# Altium PCB Austindetz_CM4_Board_v1.0.PcbDoc (part 1 of 6) (continued)
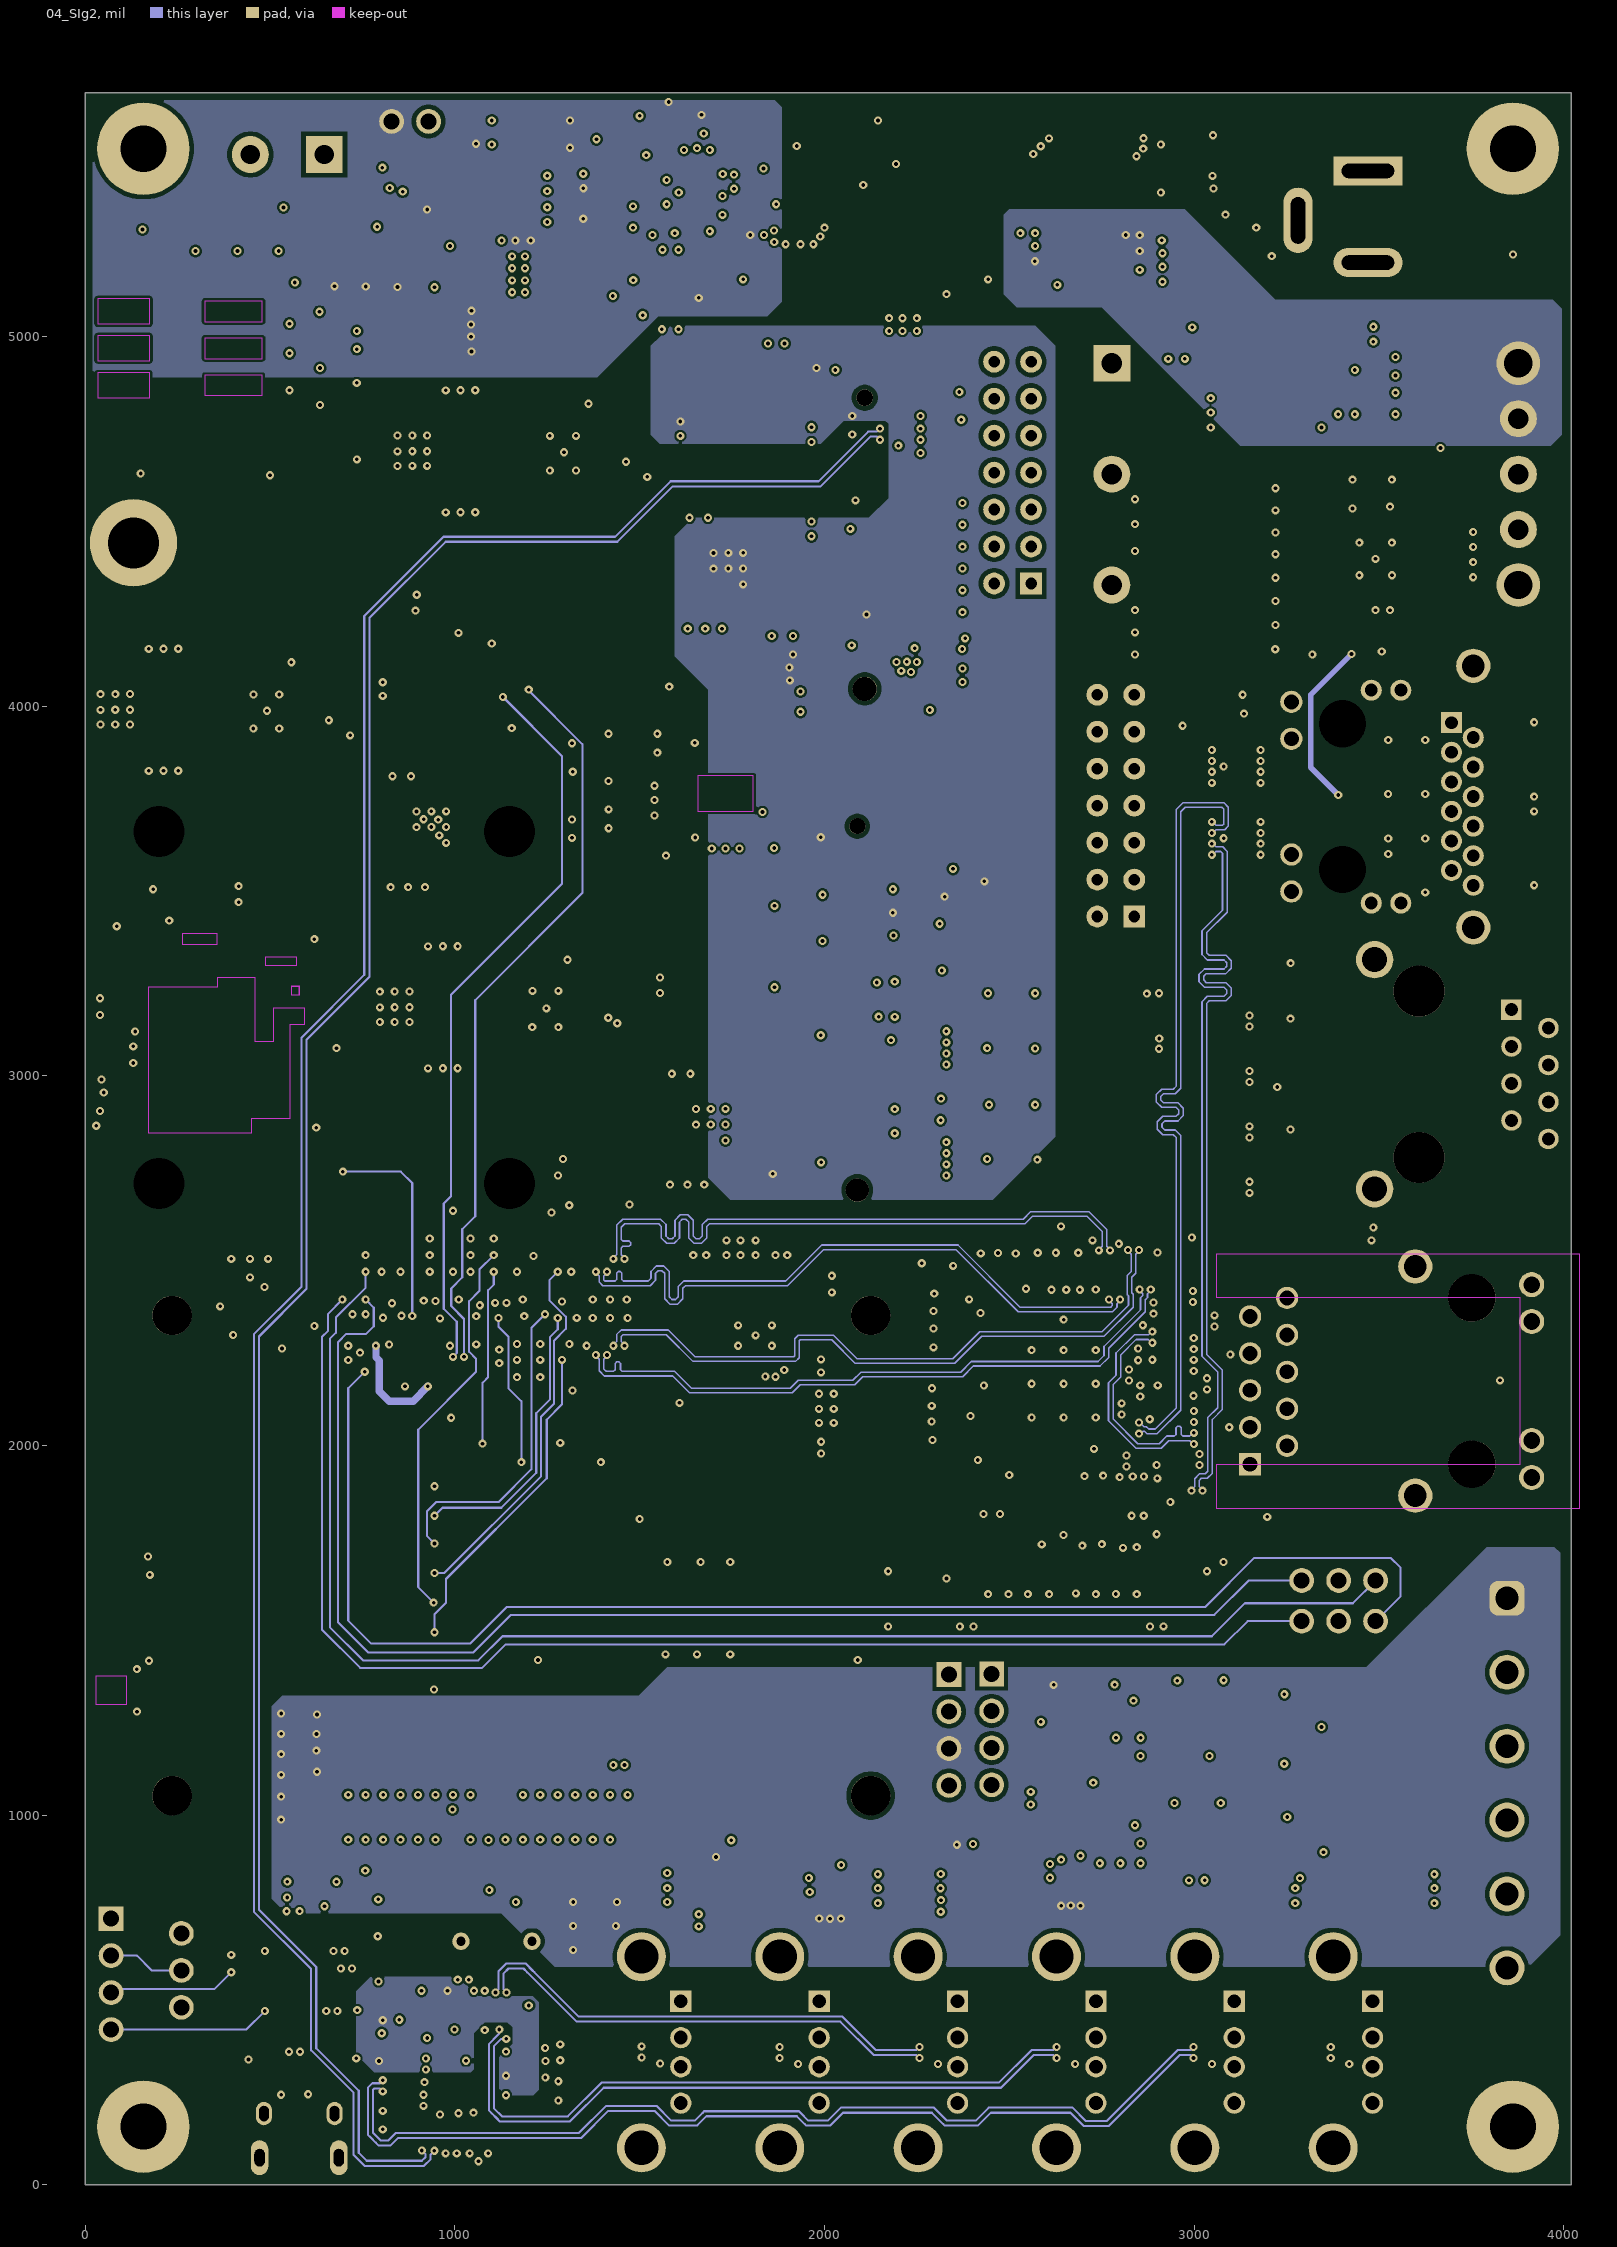
[diagram p4: 04_SIg2]
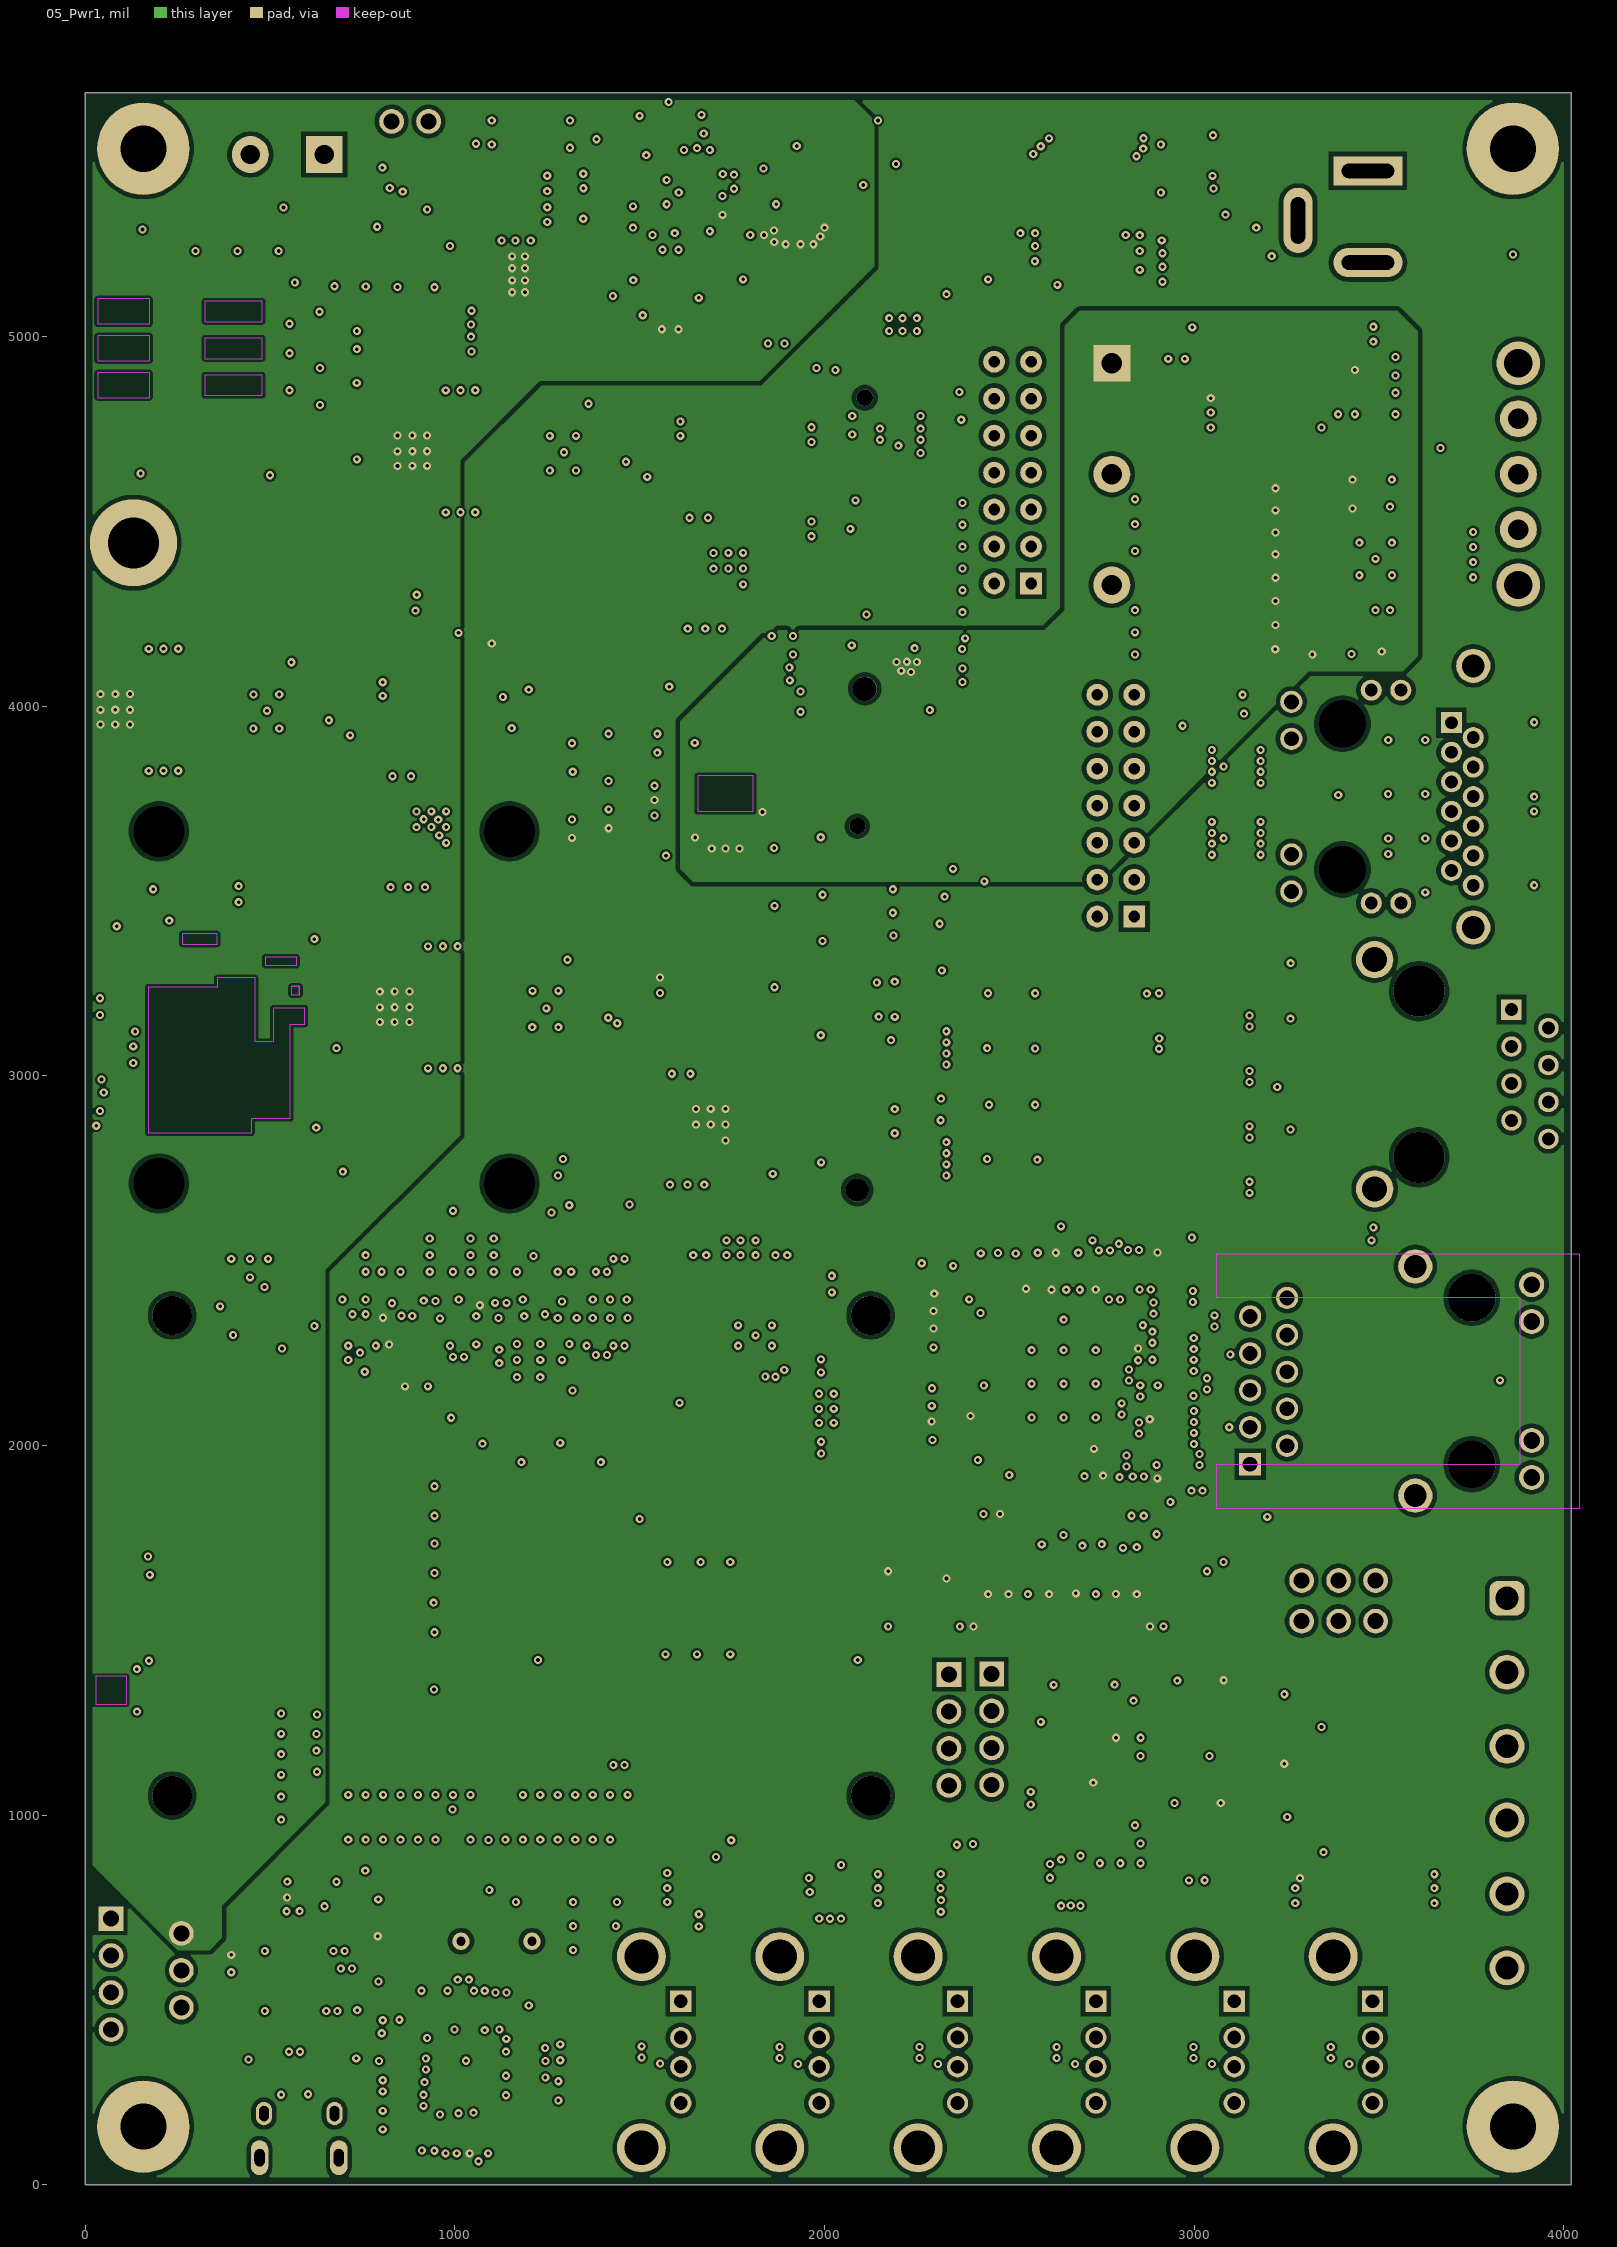
[diagram p5: 05_Pwr1]

## Layer stack, top to bottom
Top Solder: solder mask 0.394, SM-001, Dk 3.8
Top Layer: signal copper 1.38
Dielectric 1: prepreg 3.91, PP-014, Dk 4.2
02_GND1: signal copper 0.6
Dielectric 4: core 21.65, Core-037, Dk 4.8
03_SIg1: signal copper 0.6
Dielectric 2: prepreg 4.28, PP-015, Dk 4.3
04_SIg2: signal copper 0.6
Dielectric 5: core 21.65, Core-037, Dk 4.8
05_Pwr1: signal copper 0.6
Dielectric 3: prepreg 3.91, PP-014, Dk 4.2
Bottom Layer: signal copper 1.38
Bottom Solder: solder mask 0.394, SM-001, Dk 3.8

## Board outline
-0.09,-0.02 4019.91,-0.02 4019.91,5659.27 -0.09,5659.27

## Design rules (kind name [scope] priority, off if disabled: settings)
BoardOutlineClearance [All] p1: gap=10 ignorepadtopadclearanceinfootprint=FALSE except(0: Arc-OutlineEdge Arc-SplitContinuation Track-OutlineEdge Track-SplitContinuation SMDPad-SplitContinuation THPad-SplitContinuation Via-SplitContinuation Fill-SplitContinuation Poly-SplitContinuation Region-SplitContinuation Text-OutlineEdge Text-SplitContinuation; 19.68: Poly-OutlineEdge)
Clearance [All] p1: gap=4 ignorepadtopadclearanceinfootprint=TRUE except(6: Via-Poly; 8: Arc-Poly Track-Poly SMDPad-Poly Fill-Fill Fill-Poly Fill-Region Poly-Region Region-Region; 12: THPad-Poly Poly-Poly)
ComponentClearance [All] p1: gap=0 collisioncheckmode=3 verticalgap=0 showdistances=FALSE
DiffPairsRouting 90Ohm [InDifferentialPairClass('90OHM')] p1: maxlimit=8 minlimit=8 mostfreqgap=8 toplayer_minwidth=6.23 toplayer_maxwidth=6.23 toplayer_prefwidth=6.23 midlayer1_minwidth=5.66 midlayer1_maxwidth=5.66 midlayer1_prefwidth=5.66 midlayer2_minwidth=5.66 midlayer2_maxwidth=5.66 midlayer2_prefwidth=5.66 midlayer3_minwidth=5.66 midlayer3_maxwidth=5.66 midlayer3_prefwidth=5.66 midlayer4_minwidth=5.66 midlayer4_maxwidth=5.66 midlayer4_prefwidth=5.66 bottomlayer_minwidth=6.23 bottomlayer_maxwidth=6.23 bottomlayer_prefwidth=6.23 maxuncoupledlength=99999
DiffPairsRouting 100Ohm [InDifferentialPairClass('100OHM')] p2: maxlimit=8 minlimit=8 mostfreqgap=8 toplayer_minwidth=4.88 toplayer_maxwidth=4.88 toplayer_prefwidth=4.88 midlayer1_minwidth=4.44 midlayer1_maxwidth=4.44 midlayer1_prefwidth=4.44 midlayer2_minwidth=4.44 midlayer2_maxwidth=4.44 midlayer2_prefwidth=4.44 midlayer3_minwidth=4.44 midlayer3_maxwidth=4.44 midlayer3_prefwidth=4.44 midlayer4_minwidth=4.44 midlayer4_maxwidth=4.44 midlayer4_prefwidth=4.44 bottomlayer_minwidth=4.88 bottomlayer_maxwidth=4.88 bottomlayer_prefwidth=4.88 maxuncoupledlength=39370.08
FanoutControl Fanout_Default [All] p5: bgadir=Out bgaviamode=Closest fanoutstyle=Auto fanoutdirection=None viagrid=1 // Fanout_Default (Default Rule)
HoleSize [All] p1: absolutevalues=TRUE maxlimit=1000 minlimit=1 maxpercent=80.000 minpercent=20.000
HoleToHoleClearance [All] p1: gap=7.87 allowstackedmicrovias=TRUE
MinimumSolderMaskSliver [All] p1: minsoldermaskwidth=0
PolygonConnect PolygonConnect_4 [All vs IsNamedPolygon('NONET_L02_P-001')] p1: connectstyle=Direct reliefconductorwidth=10 reliefentries=4 polygonreliefangle="90 Angle" airgapwidth=10
PolygonConnect PolygonConnect_3 [All vs IsNamedPolygon('NONET_L02_P-001')] p2: connectstyle=Direct reliefconductorwidth=10 reliefentries=4 polygonreliefangle="90 Angle" airgapwidth=10
PolygonConnect PolygonConnect_2 [All vs IsNamedPolygon('+3.3V_L03_P002')] p3: connectstyle=Direct reliefconductorwidth=10 reliefentries=4 polygonreliefangle="90 Angle" airgapwidth=10
PolygonConnect PolygonConnect_1 [All vs IsNamedPolygon('Top Layer-GND')] p4: connectstyle=Direct reliefconductorwidth=10 reliefentries=4 polygonreliefangle="90 Angle" airgapwidth=10
PolygonConnect [All] p5: connectstyle=Direct reliefconductorwidth=10 reliefentries=4 polygonreliefangle="90 Angle" airgapwidth=10
RoutingVias [InNetClass('All Nets')] p1: holewidth=10 width=22 viastyle="Through Hole" minholewidth=10 minwidth=22 maxholewidth=10 maxwidth=22
SilkToSilkClearance [All] p1: silktosilkclearance=0
SilkToSolderMaskClearance [IsPad] p1: minsilkscreentomaskgap=0 clearancetoexposedcopper=TRUE
SolderMaskExpansion [All] p1: expansion=4 istentingtop=FALSE
ViasUnderSMD [All] p1: allowed=TRUE
Width Power [InNetClass('PWR')] p1: maxlimit=20 minlimit=8 preferedwidth=15
Width [All] p2: maxlimit=1000 minlimit=4 preferedwidth=5.61 toplayer_prefwidth=6.16 bottomlayer_prefwidth=6.16 minimp=50.000000 maximp=50.000000 favimp=50.000000
22 further rules are at their usual default settings.

## Classes and differential pairs
differential pair class 100OHM: PD_1 PD_2 PD_3 PD_4 TRD0_0 TRD0_1 TRD0_2 TRD0_3 TRD1_0 TRD1_1 TRD1_2 TRD1_3 TRD2_0 TRD2_1 TRD2_2 TRD2_3 TRD3_0 TRD3_1 TRD3_2 TRD3_3
differential pair class 90OHM: HD1 HD2 HD3 HD4 HD5 HD6 HD7 P1 P2 P3 P4 P5 P6 P7 USB1 USB2 USBH
component class Sheet4: B? C53 C54 C60 C61 C62 C63 C64 C65 C66 C67 C68 C69 C70 C77 C78 C125 C126 C127 C128 C129 C130 C131 C132 C133 C134 C135 C136 C137 C149 C150 C151 C152 J26 L6 R12 R13 R23 R110 R111 R112 R113 R114 R115 R116 R117 R118 R119 R120 R121 R122 R123 R124 R125 R126 R127 R128 R129 R130 R138 U13 U14 X3 Y1
component class Sheet3: C105 C106 C107 C108 C123 C124 C138 C139 C140 C141 C142 C143 C144 C145 C146 C147 C148 D4 D21 D25 D26 D27 D28 D29 D30 D31 D32 D33 F1 J J8 J9 J18 L5 Q13 R25 R26 R31 R102 R103 R104 R106 R147 R148 R149 R150 R151 T1 U25
component class Sheet5: C57 C58 C59 C74 C75 C76 C79 C80 C81 C82 C83 C84 C85 C86 C87 C88 C89 C90 C91 C92 C95 C96 C97 C98 C99 C100 C101 CD1 CD2 Cff1 Cttc D7 D8 D9 D10 D11 D12 D14 D15 FB1 FB2 J15 J19 L4 PS1 Q1 Q2 Q3 Q4 Q5 Q6 Q7 Q8 Q9 Q10 Q11 Q12 R5 R6 R10 R11 R14 R34 R35 R37 R38 R39 R40 R41 R42 R43 R44 R45 R46 R47 R48 R50 R51 R52 R53 R54 R55 R56 R57 R58 R59 R61 R62 R63 R64 R65 R66 R67 R68 R69 R70 R71 R82 R83 R84 R85 R86 R87 RAC RSR1 RT1 U3 U12 U16
component class Sheet2: A1 BATT1 C11 C12 C13 C18 C22 C23 C24 C25 C26 C27 C28 C29 C30 C31 C32 C33 C34 C35 C38 C39 C41 C42 C43 C44 C45 C46 C47 C48 C49 C50 C51 C52 C55 C56 C71 C72 C73 C94 C102 C118 C119 C120 C121 C122 C153 D5 D6 D13 D16 D17 D18 D19 D20 FL5 J2 J6 J10 J11 J12 J13 J14 J16 J17 J23 L1 L2 L3 P2 R15 R16 R17 R19 R20 R21 R22 R24 R27 R28 R29 R30 R32 R33 R76 R77 R78 R79 R80 R81 R88 R91 R92 R93 R94 R95 R96 R97 R98 R99 R100 R101 U4 U6 U7 U8 U9 U10 U11 U22 U23 X2
component class Sheet1: C1 C2 C3 C4 C5 C6 C7 C8 C9 C10 C14 C15 C16 C17 C19 C20 C21 C36 C37 C40 C93 C103 C104 C109 C110 C111 C112 C113 C114 C115 C116 C117 D1 D2 D3 FL1 FL2 FL3 FL4 FL8 FL9 J1 J3 J4 J5 J7 J20 J21 J22 J24 J25 R1 R2 R3 R4 R7 R8 R9 R18 R49 R72 R73 R74 R75 R89 R90 R108 R109 U1 U2 U5 U17 U18 U19 U24 X1
differential pair P7: +P7_P -P7_N
differential pair USB2: +USB2_P -USB2_N
differential pair TRD3_3: +TRD3_3_P -TRD3_3_N
differential pair TRD3_2: +TRD3_2_P -TRD3_2_N
differential pair TRD3_1: +TRD3_1_P -TRD3_1_N
differential pair TRD3_0: +TRD3_0_P -TRD3_0_N
differential pair P6: +P6_P -P6_N
differential pair P5: +P5_P -P5_N
differential pair P4: +P4_P -P4_N
differential pair P3: +P3_P -P3_N
differential pair P2: +P2_P -P2_N
differential pair P1: +P1_P -P1_N
differential pair TRD2_3: +TRD2_3_P -TRD2_3_N
differential pair TRD2_2: +TRD2_2_P -TRD2_2_N
differential pair TRD2_1: +TRD2_1_P -TRD2_1_N
differential pair TRD2_0: +TRD2_0_P -TRD2_0_N
differential pair TRD1_3: +TRD1_3_P -TRD1_3_N
differential pair TRD1_2: +TRD1_2_P -TRD1_2_N
differential pair TRD1_1: +TRD1_1_P -TRD1_1_N
differential pair TRD1_0: +TRD1_0_P -TRD1_0_N
differential pair TRD0_3: +TRD0_3_P -TRD0_3_N
differential pair TRD0_2: +TRD0_2_P -TRD0_2_N
differential pair TRD0_1: +TRD0_1_P -TRD0_1_N
differential pair TRD0_0: +TRD0_0_P -TRD0_0_N
differential pair PD_4: +PD_4_P -PD_4_N
differential pair PD_3: +PD_3_P -PD_3_N
differential pair PD_2: +PD_2_P -PD_2_N
differential pair PD_1: +PD_1_P -PD_1_N
differential pair USB1: +USB1_P -USB1_N
differential pair USBH: +USBH_P -USBH_N
differential pair HD7: +HD7_P -HD7_N
differential pair HD6: +HD6_P -HD6_N
differential pair HD5: +HD5_P -HD5_N
differential pair HD4: +HD4_P -HD4_N
differential pair HD3: +HD3_P -HD3_N
differential pair HD2: +HD2_P -HD2_N
differential pair HD1: +HD1_P -HD1_N

## Components (designator, comment, footprint, x,y, rotation, side; value= is the part's Value field where it differs from the comment)
A1 "ENS220S-BLGT" XDCR_ENS220S-BLGT 960.88,4228.68 r180 bottom
BATT1 "3034" Keystone-3034 1659.32,1563.21 r180 bottom locked
C1 "10uF" C-0603/1608 1094.91,269.98 r270 bottom value="10uF 10V"
C2 "0.1uF" C-0402/1005#1 825.75,479.98 r0 bottom value="0.1uF 16V"
C3 "0.1uF" C-0402/1005#1 959.91,484.98 r180 bottom value="0.1uF 16V"
C4 "10uF" C-0603/1608 1319.03,252.69 r270 top value="10uF 10V"
C5 "0.1uF" C-0402/1005#1 844.91,174.98 r270 bottom value="0.1uF 16V"
C6 "0.1uF" C-0402/1005#1 986.34,227.95 r180 bottom value="0.1uF 16V"
C7 "0.1uF" C-0402/1005#1 999.03,361.51 r270 bottom value="0.1uF 16V"
C8 "0.1uF" C-0402/1005#1 959.91,311.89 r90 bottom value="0.1uF 16V"
C9 "27pF" C-0402/1005#1 1187.39,799.02 r180 top value="27pF 50V"
C10 "27pF" C-0402/1005#1 1035.03,796.4 r0 top value="27pF 50V"
C11 "0.1uF" C-0402/1005#1 493.15,3848.28 r180 bottom
C12 "10uF" C-0805/2012 252.01,4054.17 r90 bottom
C13 "0.1uF" C-0402/1005#2 554.91,2295.73 r180 bottom value="0.1uF 16V"
C14 "0.1uF" C-0402/1005#1 862.16,397.93 r0 bottom value="0.1uF 16V"
C15 "0.1uF" C-0402/1005#1 1080.85,380.59 r0 bottom value="0.1uF 16V"
C16 "0.1uF" C-0402/1005#1 1319.91,356.41 r90 top value="0.1uF 16V"
C17 "10uF" C-0603/1608 1199.03,408.87 r90 bottom value="10uF 10V"
C18 "0.1uF" C-0402/1005#2 422.98,2375.61 r0 bottom value="0.1uF 16V"
C19 "0.1uF" C-0402/1005#1 1199.91,312.99 r270 bottom value="0.1uF 16V"
C20 "10uF" C-0603/1608 1724.52,699.26 r180 top value="10uF 10V"
C21 "10uF" C-0603/1608 1724.52,750.93 r180 top value="10uF 10V"
C22 "0.1uF" C-0402/1005#2 1009.91,2109.98 r180 bottom value="0.1uF 16V"
C23 "10uF" C-0805/2012 977.98,4618.95 r270 bottom
C24 "10uF" C-0805/2012 1054.91,4758.7 r90 bottom
C25 "10uF" C-0805/2012 1054.91,4618.95 r270 bottom
C26 "10uF" C-0805/2012 977.98,4758.7 r90 bottom
C27 "10uF" C-0805/2012 180.91,4054.17 r90 bottom
C28 "10uF" C-0805/2012 251.01,3921.74 r270 bottom
C29 "0.1uF" C-0402/1005#2 1289.91,4549.98 r180 bottom
C30 "0.1uF" C-0402/1005#2 509.84,799.58 r90 top
C31 "10uF" C-0805/2012 179.91,3921.74 r270 bottom
C32 "22uF" C-0805/2012 1714.91,4294.98 r270 bottom
C33 "22uF" C-0805/2012 1639.2,4294.98 r270 bottom
C34 "22uF" C-0805/2012 1639.91,4429.98 r90 bottom
C35 "22uF" C-0805/2012 839.91,3594.98 r270 bottom
C36 "10uF" C-0603/1608 2692.56,823.04 r90 top value="10uF 10V"
C37 "0.1uF" C-0402/1005#2 794.11,609.89 r270 top value="0.1uF 16V"
C38 "2.7nF" C-0402/1005#2 1542.73,4650.48 r180 bottom
C39 "0.1uF" C-0402/1005#2 1294.61,4817.65 r0 bottom
C40 "1uF" C-0402/1005#1 129.91,1674.98 r90 bottom value=100nF
C41 "22uF" C-0805/2012 909.91,3594.98 r270 bottom
C42 "22uF" C-0805/2012 839.91,3729.98 r90 bottom
C43 "10uF" C-0805/2012 1007.46,3257.8 r90 bottom
C44 "10uF" C-0805/2012 1007.46,3119.85 r270 bottom
C45 "10uF" C-0805/2012 934.91,3257.8 r90 bottom
C46 "10uF" C-0805/2012 934.56,3119.85 r270 bottom
C47 "0.1uF" C-0402/1005#2 1246.49,3044.45 r180 bottom
C48 "0.1uF" C-0402/1005#1 491.66,4119.04 r0 bottom
C49 "22uF" C-0805/2012 1595.26,2924.98 r90 bottom
C50 "22uF" C-0805/2012 1664.91,2789.98 r270 bottom
C51 "22uF" C-0805/2012 1594.56,2789.98 r270 bottom
C52 "2.7nF" C-0402/1005#1 741.58,3955.15 r180 bottom
C53 "0.1uF" C-0402/1005#1 2931.91,2562.98 r0 bottom value="0.1uF 16V"
C54 "0.1uF" C-0402/1005#1 2662.91,2555.98 r180 bottom value="0.1uF 16V"
C55 "2.7nF" C-0402/1005#2 1496.92,3143.24 r180 bottom
C56 "0.1uF" C-0402/1005#2 1247.46,3314.16 r0 bottom
C57 "0.1uF" C-0603/1608 3166.61,5192.48 r90 top value="10uF 10V"
C58 "0.1uF" C-0603/1608 2911.65,5455.63 r90 top value="10uF 10V"
C59 "10uF" C-1206/3216 2994.54,5489.45 r90 top value="10uF 10V"
C60 "0.1uF" C-0402/1005#1 2733.67,2364.22 r270 bottom value="0.1uF 16V"
C61 "0.1uF" C-0402/1005#1 2334.91,2129.98 r90 bottom value="0.1uF 16V"
C62 "0.1uF" C-0402/1005#1 2394.91,2138.89 r90 bottom value="0.1uF 16V"
C63 "0.1uF" C-0402/1005#1 2336.3,2037.65 r270 bottom value="0.1uF 16V"
C64 "0.1uF" C-0402/1005#1 2555.95,2555.98 r180 bottom value="0.1uF 16V"
C65 "0.1uF" C-0402/1005#1 2614.03,2363.98 r270 bottom value="0.1uF 16V"
C66 "0.1uF" C-0402/1005#1 2643.69,2481.33 r0 bottom value="0.1uF 16V"
C67 "0.1uF" C-0402/1005#1 2446.91,2555.98 r180 bottom value="0.1uF 16V"
C68 "0.1uF" C-0402/1005#1 2540.2,2480.14 r180 bottom value="0.1uF 16V"
C69 "0.1uF" C-0402/1005#1 2332.05,2291.22 r270 bottom value="0.1uF 16V"
C70 "0.1uF" C-0402/1005#1 2445.71,2480.39 r180 bottom value="0.1uF 16V"
C71 "0.1uF" C-0402/1005#1 1965.97,4068.33 r270 bottom value=100nF
C72 "10uF" C-0603/1608 1964.91,4164.98 r90 bottom value=100nF
C73 "10uF" C-0603/1608 1856.52,4129.98 r90 bottom value=100nF
C74 "47uF/16V" C-1206/3216 3654.91,4904.98 r180 bottom value=100nF
C75 "47uF/16V" C-1206/3216 3654.91,4813.39 r180 bottom value=100nF
C76 "0.1uF" C-0402/1005#1 3689.91,4734.98 r180 bottom value=100nF
C77 "0.1uF" C-0402/1005#1 2354.71,2359.36 r0 bottom value="0.1uF 16V"
C78 "0.1uF" C-0402/1005#1 2294.76,2469.45 r90 bottom value="0.1uF 16V"
C79 "22uF/100V" FP-KRM55W-6_1_5_3_6_7_1_2-MFG 3025.85,4492.78 r180 bottom
C80 "22uF/100V" FP-KRM55W-6_1_5_3_6_7_1_2-MFG 3025.85,4246.58 r180 bottom
C81 "Capacitor" C-0603/1608 1660.19,5202.21 r270 top value=1uF
C82 "Capacitor" C-0805/2012 1128.91,4979.98 r180 bottom value=10uF
C83 "Capacitor" C-0805/2012 1128.91,5059.98 r180 bottom value=10uF
C84 "Capacitor" R-0402/1005 1605.11,5079.98 r270 top value=0.1uF
C85 "Capacitor" C-0402/1005#1 1835.57,5334.13 r270 top value=0.1uF
C86 "Capacitor" C-0402/1005#1 2239.91,5524.98 r270 top value=0.1uF
C87 "Capacitor" C-0402/1005#1 1800.02,5332.3 r90 top value=0.1uF
C88 "Capacitor" C-0402/1005#1 923.85,5377.17 r180 bottom value=0.1uF
C89 "Capacitor" C1206 1871.89,5076.52 r90 top value=2.2uF
C90 "Capacitor" C-0805/2012 632.04,5174.21 r270 top value=10uF
C91 "Capacitor" C-0805/2012 716.85,5174.62 r270 top value=10uF
C92 "Capacitor" C-0805/2012 801.67,5174.08 r270 top value=10uF
C93 "10uF" C-0805/2012 119.11,3454.86 r180 bottom value="10uF 10V"
C94 "0.1uF" C-0402/1005#1 3011.24,1032.11 r0 top value=100nF
C95 "0.1uF/100V" C-0402/1005#2 3374.91,4104.98 r0 bottom value=100nF
C96 "Capacitor" C-0805/2012 886.48,5174.12 r270 top value=10uF
C97 "Capacitor" C-0402/1005#1 1561.77,5176.91 r90 top value=0.1uF
C98 "Capacitor" C-0402/1005#1 1034.91,5549.98 r0 top value=0.1uF
C99 "Capacitor" C-0402/1005#1 789.91,5379.98 r90 bottom value=0.1uF
C100 "Capacitor" C-0603/1608 1631.21,5574.98 r270 top value=1uF
C101 "Capacitor" C-0603/1608 1489.91,5109.98 r180 bottom value=1uF
C102 "0.1uF" C-0402/1005#1 3013.91,1362.98 r0 top value=100nF
C103 "10uF" C-0603/1608 2045,789.6 r90 top value="10uF 10V"
C104 "0.1uF" C-0402/1005#1 2641.09,817.92 r90 top value="0.1uF 16V"
C105 "0.01uF" C-0402/1005#1 3189.38,3223.2 r0 top value=100nF
C106 "0.01uF" C-0402/1005#1 3189.38,3069.35 r0 top value=100nF
C107 "0.01uF" C-0402/1005#1 3189.91,2923.45 r0 top value=100nF
C108 "0.01uF" C-0402/1005#1 3189.38,2771.21 r0 top value=100nF
C109 "10uF" C-0603/1608 2376.55,791.02 r180 top value="10uF 10V"
C110 "10uF" C-0603/1608 2376.55,739.35 r180 top value="10uF 10V"
C111 "0.1uF" C-0402/1005#1 1995.09,784.48 r90 top value="0.1uF 16V"
C112 "100uF 16V" CAP-TAN-2312 1671.33,705.31 r90 bottom value="10uF 16V"
C113 "100uF 16V" CAP-TAN-2312 2047.72,705.31 r90 bottom value="10uF 16V"
C114 "100uF 16V" CAP-TAN-2312 2424.11,705.31 r90 bottom value="10uF 16V"
C115 "100uF 16V" CAP-TAN-2312 3176.89,705.31 r90 bottom value="10uF 16V"
C116 "100uF 16V" CAP-TAN-2312 2800.5,705.31 r90 bottom value="10uF 16V"
C117 "100uF 16V" CAP-TAN-2312 3553.28,705.31 r90 bottom value="10uF 16V"
C118 "0.1uF" C-0402/1005#1 2254.91,3489.98 r180 bottom value=100nF
C119 "10uF" C-0603/1608 1926.3,3629.98 r270 bottom value=100nF
C120 "10uF" C-0603/1608 2250.09,3413.71 r270 bottom value=100nF
C121 "0.1uF" C-0402/1005#1 576.1,5066.62 r180 top value="0.1uF 16V"
C122 "0.1uF" C-0402/1005#1 576.1,4918.58 r180 top value="0.1uF 16V"
C123 "1000pF 2KV" C-0402/1005#1 3284.34,3339.98 r0 bottom value=100nF
C124 "0.1uF" C-0402/1005#1 2509.91,3223.45 r180 bottom value=100nF
C125 "0.1uF" C-0402/1005#1 2454.71,1852.86 r180 bottom value="0.1uF 16V"
C126 "0.1uF" C-0402/1005#1 2479.91,1959.98 r180 bottom value="0.1uF 16V"
C127 "0.1uF" C-0402/1005#1 2771.91,2586.98 r180 bottom value="0.1uF 16V"
C128 "0.1uF" C-0402/1005#1 3041.79,2094.33 r270 bottom value="0.1uF 16V"
C129 "0.1uF" C-0402/1005#1 2951.91,2157.98 r90 bottom value="0.1uF 16V"
C130 "22pF" C-0402/1005#1 2974.91,1659.98 r180 top value="0.1uF 16V"
C131 "0.1uF" C-0402/1005#1 2729.91,1874.98 r180 bottom value="0.1uF 16V"
C132 "22pF" C-0402/1005#1 3110.79,1761.63 r90 top value="0.1uF 16V"
C133 "0.1uF" C-0402/1005#1 2941.24,1919.27 r270 bottom value="0.1uF 16V"
C134 "0.1uF" C-0402/1005#1 2900.46,1849.98 r270 bottom value="0.1uF 16V"
C135 "0.1uF" C-0402/1005#1 2788.69,2238.83 r180 bottom value="0.1uF 16V"
C136 "0.1uF" C-0402/1005#1 2461.46,2384.11 r270 bottom value="0.1uF 16V"
C137 "1uF" C-0402/1005#1 2775.91,1832.98 r180 bottom value="0.1uF 16V"
C138 "0.1uF" C-0402/1005#1 1629.91,3594.98 r180 bottom value=100nF
C139 "0.1uF" C-0402/1005#1 1863.52,3734.98 r90 bottom value=100nF